# Altium PCB Thunderscope-E.PCBDOC (part 3 of 4)
Units mm, origin at the board's own origin, x right, y up, seen from the top; angles counter-clockwise.
Board outline 90.45 x 105.75 mm, 4 copper layers (L1, L2, L3, L4), stack 1.641 mm thick; 474 components, 268 nets, 1559 pads, 783 vias.
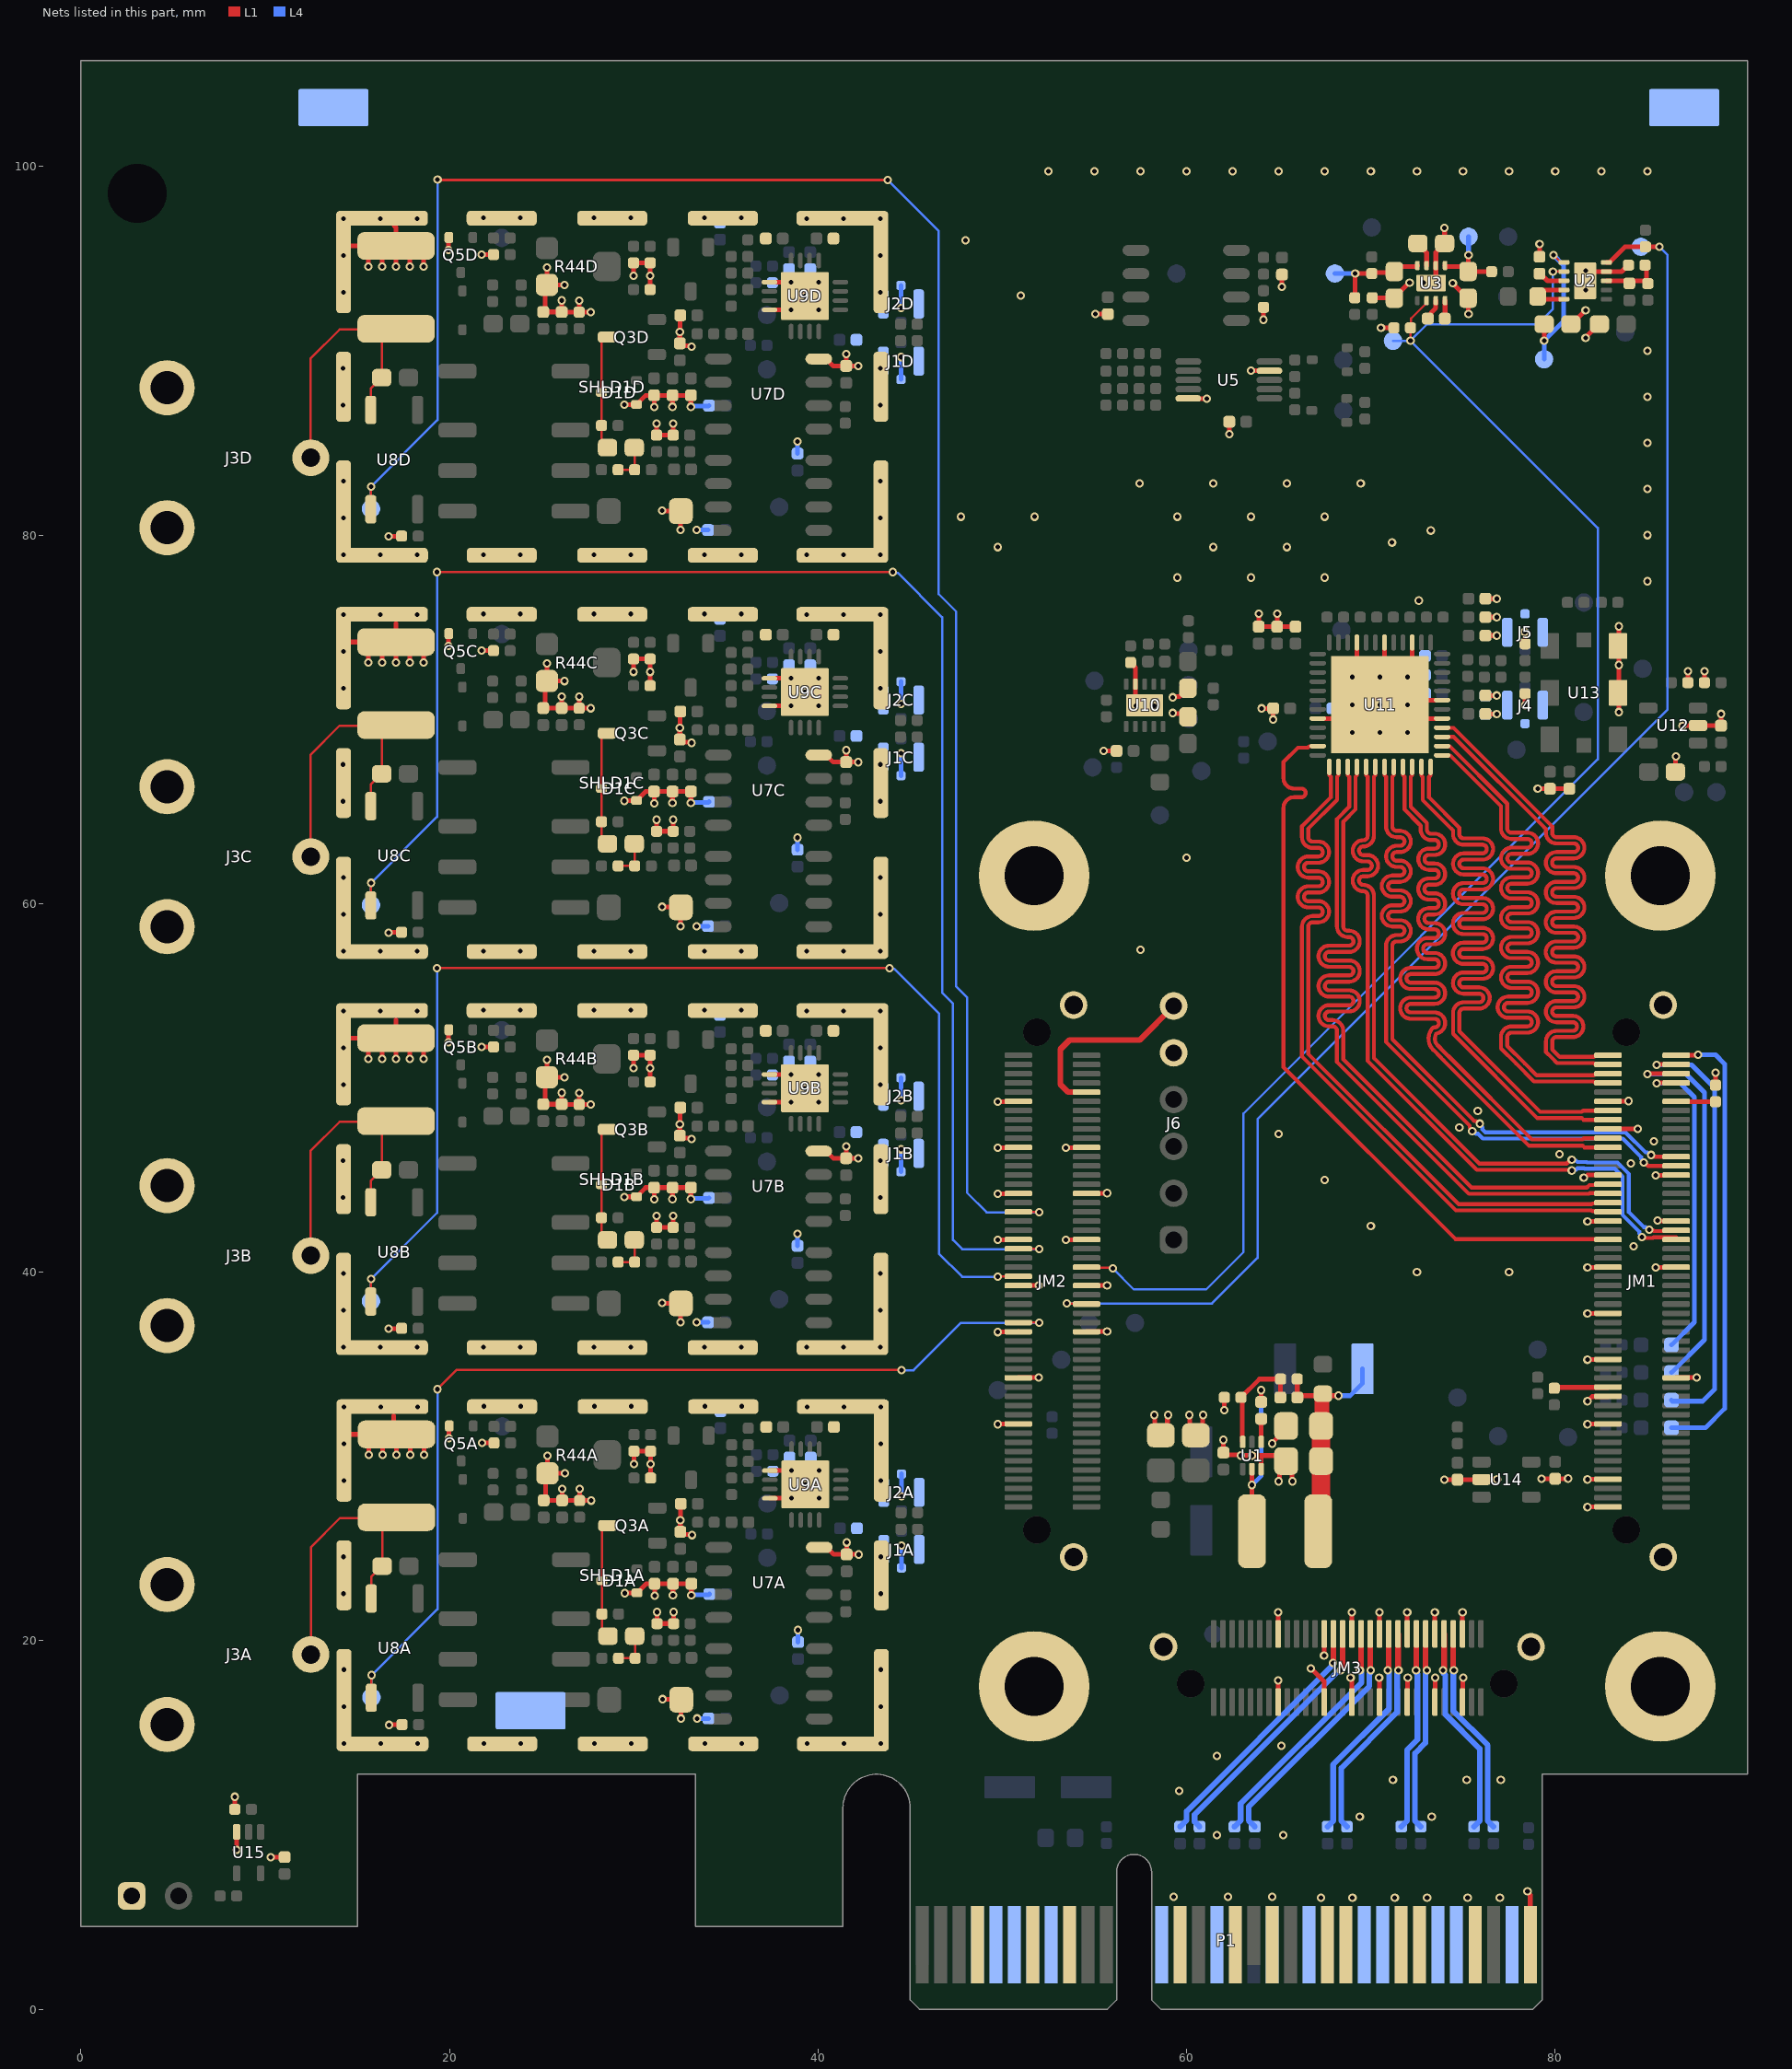
[diagram p5: the nets of this part, all layers, seen from the top]

## Via types
v1: diameter 0.457, hole 0.254, L1 to L4, tented both sides, 783 vias

## Nets (pads, with @x,y where several pads share a name; then routed paths per layer and width w, separated by ;. In a path a pad name is that pad's centre, name@x,y a point inside that pad or via, vN(x,y) a via of type N, cw(c..) or ccw(c..) an arc to the next point about the centre after c; other vN are vias at no path point) (continued)
D1B_P: JM1.59 U11.11 | length 42
  L1 w0.214: U11.11@67.118,68.55 67.111,68.543 66.656,68.543 66.583,68.47 66.039,68.47 65.259,67.691 65.259,67.098 65.259,66.821 ccw(c65.834,66.821) 65.834,66.246 66.225,66.246 cw(c66.225,66.012) 66.225,65.778 65.834,65.778 ccw(c65.834,65.204) 65.259,65.204 65.259,64.133 65.259,51.127 74.586,41.8 82.838,41.8 JM1.59@82.867,41.771
D2A_N: JM1.67 U11.14 | length 41.6
  L1 w0.214: U11.14@68.243,67.425 68.236,67.418 68.236,66.963 68.163,66.89 68.163,65.632 66.6,64.068 66.6,63.882 66.6,63.604 ccw(c66.834,63.604) 66.834,63.371 67.157,63.371 cw(c67.157,62.796) 67.157,62.221 66.602,62.221 ccw(c66.602,61.988) 66.602,61.754 67.157,61.754 cw(c67.157,61.179) 67.157,60.604 66.602,60.604 ccw(c66.602,60.371) 66.602,60.137 67.157,60.137 cw(c67.157,59.562) 67.157,58.988 66.834,58.988 ccw(c66.834,58.754) 66.6,58.754 66.6,58.05 66.6,51.85 74.759,43.691 81.978,43.691 82.014,43.728 82.824,43.728 JM1.67@82.867,43.771
D2A_P: JM1.65 U11.13 | length 42.1
  L1 w0.214: U11.13@67.743,67.425 67.75,67.418 67.75,66.963 67.823,66.89 67.823,65.773 66.259,64.209 66.259,63.882 66.259,63.604 ccw(c66.834,63.604) 66.834,63.03 67.157,63.03 cw(c67.157,62.796) 67.157,62.562 66.602,62.562 ccw(c66.602,61.988) 66.602,61.413 67.157,61.413 cw(c67.157,61.179) 67.157,60.945 66.602,60.945 ccw(c66.602,60.371) 66.602,59.796 67.157,59.796 cw(c67.157,59.562) 67.157,59.328 66.834,59.328 ccw(c66.834,58.754) 66.259,58.754 66.259,58.05 66.259,51.709 74.618,43.35 81.978,43.35 82.014,43.314 82.824,43.314 JM1.65@82.867,43.271
D2B_N: JM1.71 U11.16 | length 42.4
  L1 w0.214: U11.16@69.243,67.425 69.236,67.418 69.236,66.963 69.163,66.89 69.163,65.113 68.5,64.45 68.5,59.042 68.5,58.765 ccw(c68.734,58.765) 68.734,58.531 68.82,58.531 cw(c68.82,57.957) 68.82,57.382 67.734,57.382 ccw(c67.734,57.148) 67.734,56.914 68.82,56.914 cw(c68.82,56.34) 68.82,55.765 67.734,55.765 ccw(c67.734,55.531) 67.734,55.298 68.82,55.298 cw(c68.82,54.723) 68.82,54.148 67.734,54.148 ccw(c67.734,53.915) 67.734,53.681 67.925,53.681 cw(c67.925,53.106) 68.5,53.106 68.5,52.35 68.5,51.55 75.459,44.591 81.724,44.591 81.861,44.728 82.824,44.728 JM1.71@82.867,44.771
D2B_P: JM1.69 U11.15 | length 43
  L1 w0.214: U11.15@68.743,67.425 68.75,67.418 68.75,66.963 68.823,66.89 68.823,65.255 68.159,64.591 68.159,59.042 68.159,58.765 ccw(c68.734,58.765) 68.734,58.191 68.82,58.191 cw(c68.82,57.957) 68.82,57.723 67.734,57.723 ccw(c67.734,57.148) 67.734,56.574 68.82,56.574 cw(c68.82,56.34) 68.82,56.106 67.734,56.106 ccw(c67.734,55.531) 67.734,54.957 68.82,54.957 cw(c68.82,54.723) 68.82,54.489 67.734,54.489 ccw(c67.734,53.915) 67.734,53.34 67.925,53.34 cw(c67.925,53.106) 68.159,53.106 68.159,52.35 68.159,51.409 75.318,44.25 81.844,44.25 81.883,44.29 82.848,44.29 JM1.69@82.867,44.271
D3A_N: JM1.81 U11.22 | length 41.2
  L1 w0.214: U11.22@72.243,67.425 72.236,67.418 72.236,66.963 72.163,66.89 72.163,65.255 73.041,64.377 73.041,64.307 73.041,64.029 ccw(c73.275,64.029) 73.275,63.796 73.457,63.796 cw(c73.457,63.221) 74.032,63.221 cw(c73.457,63.221) 73.457,62.646 73.146,62.646 ccw(c73.146,62.413) 72.912,62.413 ccw(c73.146,62.413) 73.146,62.179 73.457,62.179 cw(c73.457,61.604) 74.032,61.604 cw(c73.457,61.604) 73.457,61.03 73.141,61.03 ccw(c73.141,60.796) 72.907,60.796 ccw(c73.141,60.796) 73.141,60.562 73.457,60.562 cw(c73.457,59.987) 74.032,59.987 cw(c73.457,59.987) 73.457,59.413 73.139,59.413 ccw(c73.139,59.179) 72.905,59.179 ccw(c73.139,59.179) 73.139,58.945 73.457,58.945 cw(c73.457,58.37) 74.032,58.37 cw(c73.457,58.37) 73.457,57.796 73.071,57.796 ccw(c73.071,57.562) 72.837,57.562 ccw(c73.071,57.562) 73.071,57.328 73.457,57.328 cw(c73.457,56.753) 74.032,56.753 cw(c73.457,56.753) 73.457,56.179 72.166,56.179 ccw(c72.166,55.945) 71.932,55.945 ccw(c72.166,55.945) 72.166,55.711 73.457,55.711 cw(c73.457,55.137) 74.032,55.137 cw(c73.457,55.137) 73.457,54.562 72.166,54.562 ccw(c72.166,54.328) 71.932,54.328 ccw(c72.166,54.328) 72.166,54.094 73.457,54.094 cw(c73.457,53.52) 74.032,53.52 cw(c73.457,53.52) 73.549,52.953 ccw(c73.99,52.677) 73.622,52.31 74.003,51.929 ; 74.004,51.928 74.348,51.584 78.732,47.2 81.5,47.2 81.571,47.271 JM1.81@82.867,47.271
D3A_P: JM1.79 U11.21 | length 41.8
  L1 w0.214: U11.21@71.743,67.425 71.75,67.418 71.75,66.963 71.823,66.89 71.823,65.113 72.629,64.307 72.7,64.236 72.7,64.029 ccw(c73.275,64.029) 73.275,63.455 73.457,63.455 cw(c73.457,63.221) 73.691,63.221 cw(c73.457,63.221) 73.457,62.987 73.146,62.987 ccw(c73.146,62.413) 72.571,62.413 ccw(c73.146,62.413) 73.146,61.838 73.457,61.838 cw(c73.457,61.604) 73.691,61.604 cw(c73.457,61.604) 73.457,61.37 73.141,61.37 ccw(c73.141,60.796) 72.567,60.796 ccw(c73.141,60.796) 73.141,60.221 73.457,60.221 cw(c73.457,59.987) 73.691,59.987 cw(c73.457,59.987) 73.457,59.753 73.139,59.753 ccw(c73.139,59.179) 72.565,59.179 ccw(c73.139,59.179) 73.139,58.604 73.457,58.604 cw(c73.457,58.37) 73.691,58.37 cw(c73.457,58.37) 73.457,58.137 73.071,58.137 ccw(c73.071,57.562) 72.496,57.562 ccw(c73.071,57.562) 73.071,56.987 73.457,56.987 cw(c73.457,56.753) 73.691,56.753 cw(c73.457,56.753) 73.457,56.52 72.166,56.52 ccw(c72.166,55.945) 71.591,55.945 ccw(c72.166,55.945) 72.166,55.37 73.457,55.37 cw(c73.457,55.137) 73.691,55.137 cw(c73.457,55.137) 73.457,54.903 72.166,54.903 ccw(c72.166,54.328) 71.591,54.328 ccw(c72.166,54.328) 72.166,53.754 73.457,53.754 cw(c73.457,53.52) 73.691,53.52 cw(c73.457,53.52) 73.458,53.286 ccw(c73.457,53.116) 73.326,53.225 ; 73.325,53.223 ccw(c73.99,52.677) 73.38,52.07 73.762,51.688 73.919,51.531 78.591,46.859 81.5,46.859 81.589,46.771 JM1.79@82.867,46.771
D3B_N: JM1.87 U11.24 | length 42.5
  L1 w0.214: U11.24@73.229,67.411 73.229,66.956 73.156,66.883 73.156,65.766 74.8,64.122 74.8,64.052 74.8,63.774 ccw(c75.034,63.774) 75.034,63.541 76.057,63.541 cw(c76.057,62.966) 76.632,62.966 cw(c76.057,62.966) 76.057,62.391 75.031,62.391 ccw(c75.031,62.158) 74.797,62.158 ccw(c75.031,62.158) 75.031,61.924 76.057,61.924 cw(c76.057,61.349) 76.632,61.349 cw(c76.057,61.349) 76.057,60.775 75.029,60.775 ccw(c75.029,60.541) 74.795,60.541 ccw(c75.029,60.541) 75.029,60.307 76.057,60.307 cw(c76.057,59.732) 76.632,59.732 cw(c76.057,59.732) 76.057,59.158 75.026,59.158 ccw(c75.026,58.924) 74.793,58.924 ccw(c75.026,58.924) 75.026,58.69 76.057,58.69 cw(c76.057,58.115) 76.632,58.115 cw(c76.057,58.115) 76.057,57.541 75.024,57.541 ccw(c75.024,57.307) 74.791,57.307 ccw(c75.024,57.307) 75.024,57.073 76.057,57.073 cw(c76.057,56.498) 76.632,56.498 cw(c76.057,56.498) 76.057,55.924 75.026,55.924 ccw(c75.026,55.69) 74.792,55.69 ccw(c75.026,55.69) 75.026,55.456 75.875,55.456 cw(c75.875,54.882) 76.45,54.882 cw(c75.875,54.882) 75.875,54.307 75.034,54.307 ccw(c75.034,54.073) 74.8,54.073 74.8,53.085 74.8,53.082 79.182,48.7 81.45,48.7 81.521,48.771 JM1.87@82.867,48.771 ; U11.24@73.236,67.418 U11.24@73.243,67.425
D3B_P: JM1.85 U11.23 | length 43.1
  L1 w0.214: U11.23@72.743,67.425 72.743,66.956 72.816,66.883 72.816,65.625 74.389,64.052 74.459,63.981 74.459,63.774 ccw(c75.034,63.774) 75.034,63.2 76.057,63.2 cw(c76.057,62.966) 76.291,62.966 cw(c76.057,62.966) 76.057,62.732 75.031,62.732 ccw(c75.031,62.158) 74.456,62.158 ccw(c75.031,62.158) 75.031,61.583 76.057,61.583 cw(c76.057,61.349) 76.291,61.349 cw(c76.057,61.349) 76.057,61.115 75.029,61.115 ccw(c75.029,60.541) 74.454,60.541 ccw(c75.029,60.541) 75.029,59.966 76.057,59.966 cw(c76.057,59.732) 76.291,59.732 cw(c76.057,59.732) 76.057,59.498 75.026,59.498 ccw(c75.026,58.924) 74.452,58.924 ccw(c75.026,58.924) 75.026,58.349 76.057,58.349 cw(c76.057,58.115) 76.291,58.115 cw(c76.057,58.115) 76.057,57.881 75.024,57.881 ccw(c75.024,57.307) 74.45,57.307 ccw(c75.024,57.307) 75.024,56.732 76.057,56.732 cw(c76.057,56.498) 76.291,56.498 cw(c76.057,56.498) 76.057,56.265 75.026,56.265 ccw(c75.026,55.69) 74.451,55.69 ccw(c75.026,55.69) 75.026,55.115 75.875,55.115 cw(c75.875,54.882) 76.109,54.882 cw(c75.875,54.882) 75.875,54.648 75.034,54.648 ccw(c75.034,54.073) 74.459,54.073 74.459,53.085 74.459,52.941 74.559,52.841 79.041,48.359 81.45,48.359 81.539,48.271 JM1.85@82.867,48.271
D4A_N: JM1.95 U11.26 | length 43.1
  L1 w0.214: U11.26@73.868,68.55 73.875,68.543 74.289,68.543 77.4,65.432 77.4,64.363 77.4,64.085 ccw(c77.634,64.085) 77.634,63.852 78.498,63.852 cw(c78.498,63.277) 78.498,62.702 77.634,62.702 ccw(c77.634,62.469) 77.634,62.235 78.498,62.235 cw(c78.498,61.66) 78.498,61.086 77.634,61.086 ccw(c77.634,60.852) 77.634,60.618 78.498,60.618 cw(c78.498,60.043) 78.498,59.469 77.634,59.469 ccw(c77.634,59.235) 77.634,59.001 78.498,59.001 cw(c78.498,58.426) 78.498,57.852 77.634,57.852 ccw(c77.634,57.618) 77.634,57.384 78.498,57.384 cw(c78.498,56.81) 78.498,56.235 77.634,56.235 ccw(c77.634,56.001) 77.634,55.767 78.498,55.767 cw(c78.498,55.193) 78.498,54.618 77.452,54.618 ccw(c77.452,54.384) 77.452,54.15 78.498,54.15 cw(c78.498,53.576) 78.498,53.001 77.634,53.001 ccw(c77.634,52.767) 77.4,52.767 77.4,52.282 78.338,51.344 78.991,50.691 82.099,50.691 82.135,50.728 82.824,50.728 JM1.95@82.867,50.771
D4A_P: JM1.93 U11.25 | length 43
  L1 w0.214: U11.25@73.868,68.05 73.875,68.043 74.307,68.043 77.059,65.291 77.059,64.363 77.059,64.085 ccw(c77.634,64.085) 77.634,63.511 78.498,63.511 cw(c78.498,63.277) 78.498,63.043 77.634,63.043 ccw(c77.634,62.469) 77.634,61.894 78.498,61.894 cw(c78.498,61.66) 78.498,61.426 77.634,61.426 ccw(c77.634,60.852) 77.634,60.277 78.498,60.277 cw(c78.498,60.043) 78.498,59.809 77.634,59.809 ccw(c77.634,59.235) 77.634,58.66 78.498,58.66 cw(c78.498,58.426) 78.498,58.193 77.634,58.193 ccw(c77.634,57.618) 77.634,57.043 78.498,57.043 cw(c78.498,56.81) 78.498,56.576 77.634,56.576 ccw(c77.634,56.001) 77.634,55.426 78.498,55.426 cw(c78.498,55.193) 78.498,54.959 77.452,54.959 ccw(c77.452,54.384) 77.452,53.81 78.498,53.81 cw(c78.498,53.576) 78.498,53.342 77.634,53.342 ccw(c77.634,52.767) 77.059,52.767 77.059,52.141 77.856,51.344 78.85,50.35 82.099,50.35 82.135,50.314 82.824,50.314 JM1.93@82.867,50.271
D4B_N: JM1.99 U11.28 | length 43.1
  L1 w0.214: U11.28@73.868,69.55 73.875,69.543 74.489,69.543 79.841,64.191 79.841,64.121 79.841,63.843 ccw(c80.075,63.843) 80.075,63.61 81.012,63.61 cw(c81.012,63.035) 81.587,63.035 cw(c81.012,63.035) 81.012,62.46 80.068,62.46 ccw(c80.068,62.226) 79.834,62.226 ccw(c80.068,62.226) 80.068,61.993 81.012,61.993 cw(c81.012,61.418) 81.587,61.418 cw(c81.012,61.418) 81.012,60.843 80.066,60.843 ccw(c80.066,60.61) 79.832,60.61 ccw(c80.066,60.61) 80.066,60.376 81.012,60.376 cw(c81.012,59.801) 81.587,59.801 cw(c81.012,59.801) 81.012,59.227 80.064,59.227 ccw(c80.064,58.993) 79.83,58.993 ccw(c80.064,58.993) 80.064,58.759 81.012,58.759 cw(c81.012,58.184) 81.587,58.184 cw(c81.012,58.184) 81.012,57.61 80.064,57.61 ccw(c80.064,57.376) 79.83,57.376 ccw(c80.064,57.376) 80.064,57.142 81.012,57.142 cw(c81.012,56.567) 81.587,56.567 cw(c81.012,56.567) 81.012,55.993 80.066,55.993 ccw(c80.066,55.759) 79.832,55.759 ccw(c80.066,55.759) 80.066,55.525 81.012,55.525 cw(c81.012,54.951) 81.587,54.951 cw(c81.012,54.951) 81.012,54.376 80.071,54.376 ccw(c80.071,54.142) 79.838,54.142 ccw(c80.071,54.142) 80.071,53.908 80.955,53.908 cw(c80.955,53.334) 81.53,53.334 cw(c80.955,53.334) 80.955,52.759 80.075,52.759 ccw(c80.075,52.525) 79.841,52.525 79.841,52.091 80.241,51.691 81.694,51.691 82.099,51.691 82.135,51.728 82.824,51.728 JM1.99@82.867,51.771
D4B_P: JM1.97 U11.27 | length 43
  L1 w0.214: U11.27@73.868,69.05 73.875,69.057 74.493,69.057 79.429,64.121 79.5,64.05 79.5,63.843 ccw(c80.075,63.843) 80.075,63.269 81.012,63.269 cw(c81.012,63.035) 81.246,63.035 cw(c81.012,63.035) 81.012,62.801 80.068,62.801 ccw(c80.068,62.226) 79.494,62.226 ccw(c80.068,62.226) 80.068,61.652 81.012,61.652 cw(c81.012,61.418) 81.246,61.418 cw(c81.012,61.418) 81.012,61.184 80.066,61.184 ccw(c80.066,60.61) 79.491,60.61 ccw(c80.066,60.61) 80.066,60.035 81.012,60.035 cw(c81.012,59.801) 81.246,59.801 cw(c81.012,59.801) 81.012,59.567 80.064,59.567 ccw(c80.064,58.993) 79.489,58.993 ccw(c80.064,58.993) 80.064,58.418 81.012,58.418 cw(c81.012,58.184) 81.246,58.184 cw(c81.012,58.184) 81.012,57.95 80.064,57.95 ccw(c80.064,57.376) 79.489,57.376 ccw(c80.064,57.376) 80.064,56.801 81.012,56.801 cw(c81.012,56.567) 81.246,56.567 cw(c81.012,56.567) 81.012,56.334 80.066,56.334 ccw(c80.066,55.759) 79.492,55.759 ccw(c80.066,55.759) 80.066,55.184 81.012,55.184 cw(c81.012,54.951) 81.246,54.951 cw(c81.012,54.951) 81.012,54.717 80.071,54.717 ccw(c80.071,54.142) 79.497,54.142 ccw(c80.071,54.142) 80.071,53.568 80.955,53.568 cw(c80.955,53.334) 81.189,53.334 cw(c80.955,53.334) 80.955,53.1 80.075,53.1 ccw(c80.075,52.525) 79.5,52.525 79.5,51.95 79.83,51.62 80.1,51.35 82.099,51.35 82.135,51.314 82.824,51.314 JM1.97@82.867,51.271
DC_CPL_1: JM2.41 TP22A.1 U8A.1 | length 54.7
  L1 w0.127: U8A.1@15.755,16.905 15.759,16.909 15.759,18.126 v1(15.763,18.13) ; v1(19.35,33.65) 20.4,34.7 44.501,34.7 v1(44.522,34.678) ; JM2.41@50.867,37.271 50.877,37.26 51.99,37.26 v1(52,37.25)
  L4 w0.127: TP22A.1@15.763,16.93 v1(15.763,18.13) 19.35,21.717 v1(19.35,33.65) ; v1(44.522,34.678) 45.178,34.678 47.75,37.25 v1(52,37.25)
DC_CPL_2: JM2.51 TP22B.1 U8B.1 | length 66.8
  L1 w0.127: U8B.1@15.73,38.406 15.734,38.41 15.734,39.627 v1(15.738,39.631) ; v1(19.325,56.501) v1(43.877,56.501) ; v1(49.75,39.75) 49.76,39.76 50.857,39.76 JM2.51@50.867,39.771
  L4 w0.127: TP22B.1@15.738,38.431 v1(15.738,39.631) 19.325,43.219 v1(19.325,56.501) ; v1@43.927,56.451 44.149,56.451 46.558,54.042 46.558,41.008 47.819,39.747 49.747,39.747 v1(49.75,39.75)
DC_CPL_3: JM2.57 TP22C.1 U8C.1 | length 89.2
  L1 w0.127: U8C.1@15.73,59.905 15.734,59.909 15.734,61.126 v1(15.738,61.13) ; v1(19.325,78) v1(44.05,78) ; JM2.57@50.867,41.271 50.877,41.26 51.99,41.26 v1(52,41.25)
  L4 w0.127: TP22C.1@15.738,59.93 v1(15.738,61.13) 19.325,64.717 v1(19.325,78) ; v1@44.1,77.95 44.322,77.95 46.731,75.541 46.731,55.169 47.32,54.58 47.32,41.755 47.825,41.25 v1(52,41.25)
DC_CPL_4: JM2.65 TP22D.1 U8D.1 | length 107.3
  L1 w0.127: U8D.1@15.73,81.405 15.734,81.409 15.734,82.626 v1(15.738,82.63) ; v1@19.354,99.273 v1(43.775,99.273) ; JM2.65@50.867,43.271 50.877,43.26 51.99,43.26 v1(52,43.25)
  L4 w0.127: TP22D.1@15.738,81.43 v1(15.738,82.63) 19.354,86.246 v1(19.354,99.304) ; v1(43.775,99.273) 46.55,96.498 46.55,76.799 47.499,75.851 47.499,55.501 48.082,54.918 48.082,44.318 49.15,43.25 v1(52,43.25)
EN1: JM1.27 R82.1 | length 2.9
  L1 w0.254: R82.1@79.95,33.7 79.998,33.748 82.844,33.748 JM1.27@82.867,33.771
FCLK_N: JM1.78 U11.20 | length 39.1
  L1 w0.214: U11.20@71.243,67.425 71.236,67.418 71.236,66.963 71.163,66.89 71.163,64.463 71.163,64.186 ccw(c71.397,64.186) 71.397,63.952 71.589,63.952 cw(c71.589,63.378) 71.589,62.803 71.397,62.803 ccw(c71.397,62.569) 71.397,62.335 71.589,62.335 cw(c71.589,61.761) 71.589,61.186 71.166,61.186 ccw(c71.166,60.952) 71.166,60.719 71.589,60.719 cw(c71.589,60.144) 71.589,59.569 71.166,59.569 ccw(c71.166,59.336) 71.166,59.102 71.589,59.102 cw(c71.589,58.527) 71.589,57.953 71.397,57.953 ccw(c71.397,57.719) 71.163,57.719 71.163,56.9 71.163,52.641 75.605,48.199 75.711,48.199 75.847,48.063 v1(75.913,48.063) ; v1(85.213,46.363) 85.279,46.363 85.371,46.271 JM1.78@86.567,46.271
  L4 w0.214: v1(75.913,48.063) 75.913,47.997 76.049,47.861 76.049,47.755 76.215,47.589 83.815,47.589 84.905,46.499 85.011,46.499 85.147,46.363 v1(85.213,46.363)
FCLK_P: JM1.76 U11.19 | length 39.8
  L1 w0.214: U11.19@70.743,67.425 70.75,67.418 70.75,66.963 70.823,66.89 70.823,64.463 70.823,64.186 ccw(c71.397,64.186) 71.397,63.612 71.589,63.612 cw(c71.589,63.378) 71.589,63.144 71.397,63.144 ccw(c71.397,62.569) 71.397,61.995 71.589,61.995 cw(c71.589,61.761) 71.589,61.527 71.166,61.527 ccw(c71.166,60.952) 71.166,60.378 71.589,60.378 cw(c71.589,60.144) 71.589,59.91 71.166,59.91 ccw(c71.166,59.336) 71.166,58.761 71.589,58.761 cw(c71.589,58.527) 71.589,58.293 71.397,58.293 ccw(c71.397,57.719) 70.823,57.719 70.823,56.9 70.823,52.499 75.364,47.958 75.364,47.852 75.5,47.716 v1(75.5,47.65) ; v1(84.8,45.95) 84.866,45.95 85.045,45.771 JM1.76@86.567,45.771
  L4 w0.214: v1(75.5,47.65) 75.566,47.65 75.702,47.514 75.808,47.514 76.074,47.248 83.674,47.248 84.664,46.258 84.664,46.152 84.8,46.016 v1(84.8,45.95)
FE_EN: JM2.54 R8.2 TP13.1 U2.7 U3.6 | length 86.1
  L1 w0.127: JM2.54@54.567,40.271 54.602,40.235 55.965,40.235 v1(56,40.2) ; v1(72.15,90.55) R8.2@72.15,91.25 72.176,91.276 72.176,91.759 73.026,92.609 U3.6@73.026,92.734 ; v1(79.875,94.305) U2.7@80.475,94.305
  L4 w0.127: v1(56,40.2) 57.135,39.065 61.058,39.065 63.088,41.095 63.088,48.616 82.313,67.841 82.313,80.387 v1(72.15,90.55) ; TP13.1@71.2,90.55 v1(72.15,90.55) ; v1(79.875,94.305) 79.875,92.275 79.05,91.45 73.05,91.45 v1(72.15,90.55)
FE_INA: C30A.2 GDT1A.1 J3A.1 U8A.4 | length 16.5
  L1 w0.127: J3A.1@12.475,19.25 12.475,25.075 14.06,26.66 GDT1A.1@16.965,26.66 ; U8A.4@15.755,22.295 15.755,23.461 16.344,24.05 C30A.2@16.35,24.05 16.35,26.049 GDT1A.1@16.702,26.401 ; GDT1A.1@17.051,26.7 17.001,26.7 GDT1A.1@16.702,26.401 ; GDT1A.1@17.125,26.7 17.051,26.626 16.826,26.401 GDT1A.1@16.702,26.401
FE_INB: C30B.2 GDT1B.1 J3B.1 U8B.4 | length 16.5
  L1 w0.127: J3B.1@12.45,40.751 12.45,46.576 14.035,48.161 GDT1B.1@16.94,48.161 ; U8B.4@15.73,43.796 15.73,44.962 16.319,45.551 C30B.2@16.325,45.551 16.325,47.55 GDT1B.1@16.677,47.902 ; GDT1B.1@17.026,48.201 16.976,48.201 GDT1B.1@16.677,47.902 ; GDT1B.1@17.1,48.201 17.026,48.128 16.801,47.902 GDT1B.1@16.677,47.902
FE_INC: C30C.2 GDT1C.1 J3C.1 U8C.4 | length 16.5
  L1 w0.127: J3C.1@12.45,62.25 12.45,68.075 14.035,69.66 GDT1C.1@16.94,69.66 ; U8C.4@15.73,65.295 15.73,66.461 16.319,67.05 C30C.2@16.325,67.05 16.325,69.049 GDT1C.1@16.677,69.401 ; GDT1C.1@17.026,69.7 16.976,69.7 GDT1C.1@16.677,69.401 ; GDT1C.1@17.1,69.7 17.026,69.626 16.801,69.401 GDT1C.1@16.677,69.401
FE_IND: C30D.2 GDT1D.1 J3D.1 U8D.4 | length 16.5
  L1 w0.127: J3D.1@12.45,83.75 12.45,89.575 14.035,91.16 GDT1D.1@16.94,91.16 ; U8D.4@15.73,86.795 15.73,87.961 16.319,88.55 C30D.2@16.325,88.55 16.325,90.549 GDT1D.1@16.677,90.901 ; GDT1D.1@17.026,91.2 16.976,91.2 GDT1D.1@16.677,90.901 ; GDT1D.1@17.1,91.2 17.026,91.126 16.801,90.901 GDT1D.1@16.677,90.901
FE_PG: JM2.46 R13.1 TP11.1 U2.5 | length 81
  L1 w0.127: v1(53.5,38.3) 53.515,38.285 54.552,38.285 JM2.46@54.567,38.271
  L1 w0.254: U2.5@82.775,94.805 82.946,94.805 83.791,95.65 R13.1@84.9,95.65 85.647,95.65 v1(85.652,95.654)
  L4 w0.127: v1(53.5,38.3) 56,38.3 56.003,38.303 61.373,38.303 63.85,40.78 63.85,48.3 86.1,70.55 86.1,95.206 v1(85.652,95.654) 85.649,95.652 84.652,95.652 TP11.1@84.65,95.65
GND: C3.1 C4.1 C5.2 C6.1 C7.1 C9.1 C10.1 C11.1 C12.1 C14.1 C15.1 C16.1 C18A.1 C18B.1 C18C.1 C18D.1 C19A.1 C19B.1 C19C.1 C19D.1 C22A.2 C22B.2 C22C.2 C22D.2 C23A.2 C23B.2 C23C.2 C23D.2 C24A.2 C24B.2 C24C.2 C24D.2 C25A.2 C25B.2 C25C.2 C25D.2 C26A.2 C26B.2 C26C.2 C26D.2 C27A.1 C27B.1 C27C.1 C27D.1 C28A.1 C28B.1 C28C.1 C28D.1 C29A.2 C29B.2 C29C.2 C29D.2 C31A.2 C31B.2 C31C.2 C31D.2 C33A.1 C33B.1 C33C.1 C33D.1 C34A.1 C34B.1 C34C.1 C34D.1 C35A.1 C35B.1 C35C.1 C35D.1 C36A.1 C36B.1 C36C.1 C36D.1 C37A.1 C37B.1 C37C.1 C37D.1 C38A.1 C38B.1 C38C.1 C38D.1 C39A.1 C39B.1 C39C.1 C39D.1 C40.1 C41.1 C42.1 C43.1 C44.1 C45.1 C46.1 C47.1 C48.1 C49.1 C51.1 C52.1 C53.1 C54.1 C55.1 C56.1 C57.1 C58.1 C59.1 C60.1 C61.1 C62.1 C63.1 C64.1 C75.2 C76.1 C77.2 D1A.2 D1B.2 D1C.2 D1D.2 GDT1A.2 GDT1B.2 GDT1C.2 GDT1D.2 J1A.2 J1B.2 J1C.2 J1D.2 J2A.2 J2B.2 J2C.2 J2D.2 J3A.2 J3B.2 J3C.2 J3D.2 J4.2 J5.2 J6.5 J7.1 JM1.1 JM1.7 JM1.19 JM1.25 JM1.30 JM1.33 JM1.43 JM1.53 JM1.54 JM1.63 JM1.64 JM1.73 JM1.74 JM1.83 JM1.89 JM1.101 JM1.102 JM2.19 JM2.29 JM2.39 JM2.40 JM2.49 JM2.50 JM2.59 JM2.60 JM2.69 JM2.70 JM2.79 JM2.80 JM2.89 JM2.101 JM2.102 JM3.5 JM3.6 JM3.11 JM3.12 JM3.17 JM3.18 JM3.23 JM3.24 JM3.29 JM3.30 JM3.35 JM3.36 JM3.45 JM3.46 JM3.61 JM3.62 MH1.1 MH2.1 MH3.1 MH4.1 P1.A4 P1.A12 P1.A15 P1.A18 P1.A20 P1.A23 P1.A24 P1.A27 P1.A28 P1.A31 P1.B4 P1.B7 P1.B13 P1.B16 P1.B18 P1.B21 P1.B22 P1.B25 P1.B26 P1.B29 P1.B32 Q5A.3 Q5B.3 Q5C.3 Q5D.3 R3.1 R8.1 R11.1 R12.1 R14.2 R34A.1 R34B.1 R34C.1 R34D.1 R37A.1 R37B.1 R37C.1 R37D.1 R38A.1 R38B.1 R38C.1 R38D.1 R39A.1 R39B.1 R39C.1 R39D.1 R44A.3 R44B.3 R44C.3 R44D.3 R48A.1 R48B.1 R48C.1 R48D.1 R49A.1 R49B.1 R49C.1 R49D.1 R51A.1 R51B.1 R51C.1 R51D.1 R52A.1 R52B.1 R52C.1 R52D.1 R55A.1 R55B.1 R55C.1 R55D.1 R58.1 R59.1 R67.1 R72.1 R74.1 R75.1 R83.1 R84.1 SHLD1A.1 SHLD1B.1 SHLD1C.1 SHLD1D.1 TP3.1 TP18.1 TP49.1 U1.3 U2.4 U2.11 U3.2 U3.9 U5.4 U5.10 U7A.4 U7B.4 U7C.4 U7D.4 U9A.5 U9A.8 U9A.17 U9B.5 U9B.8 U9B.17 U9C.5 U9C.8 U9C.17 U9D.5 U9D.8 U9D.17 U10.4 U10.11 U11.8 U11.29 U11.31 U11.39 U11.42 U11.45 U11.49 U12.2 U13.2 U13.3 U14.2 U15.3 | length 350.3